# Allegro board FMDEMOD-Long.brd (continued)
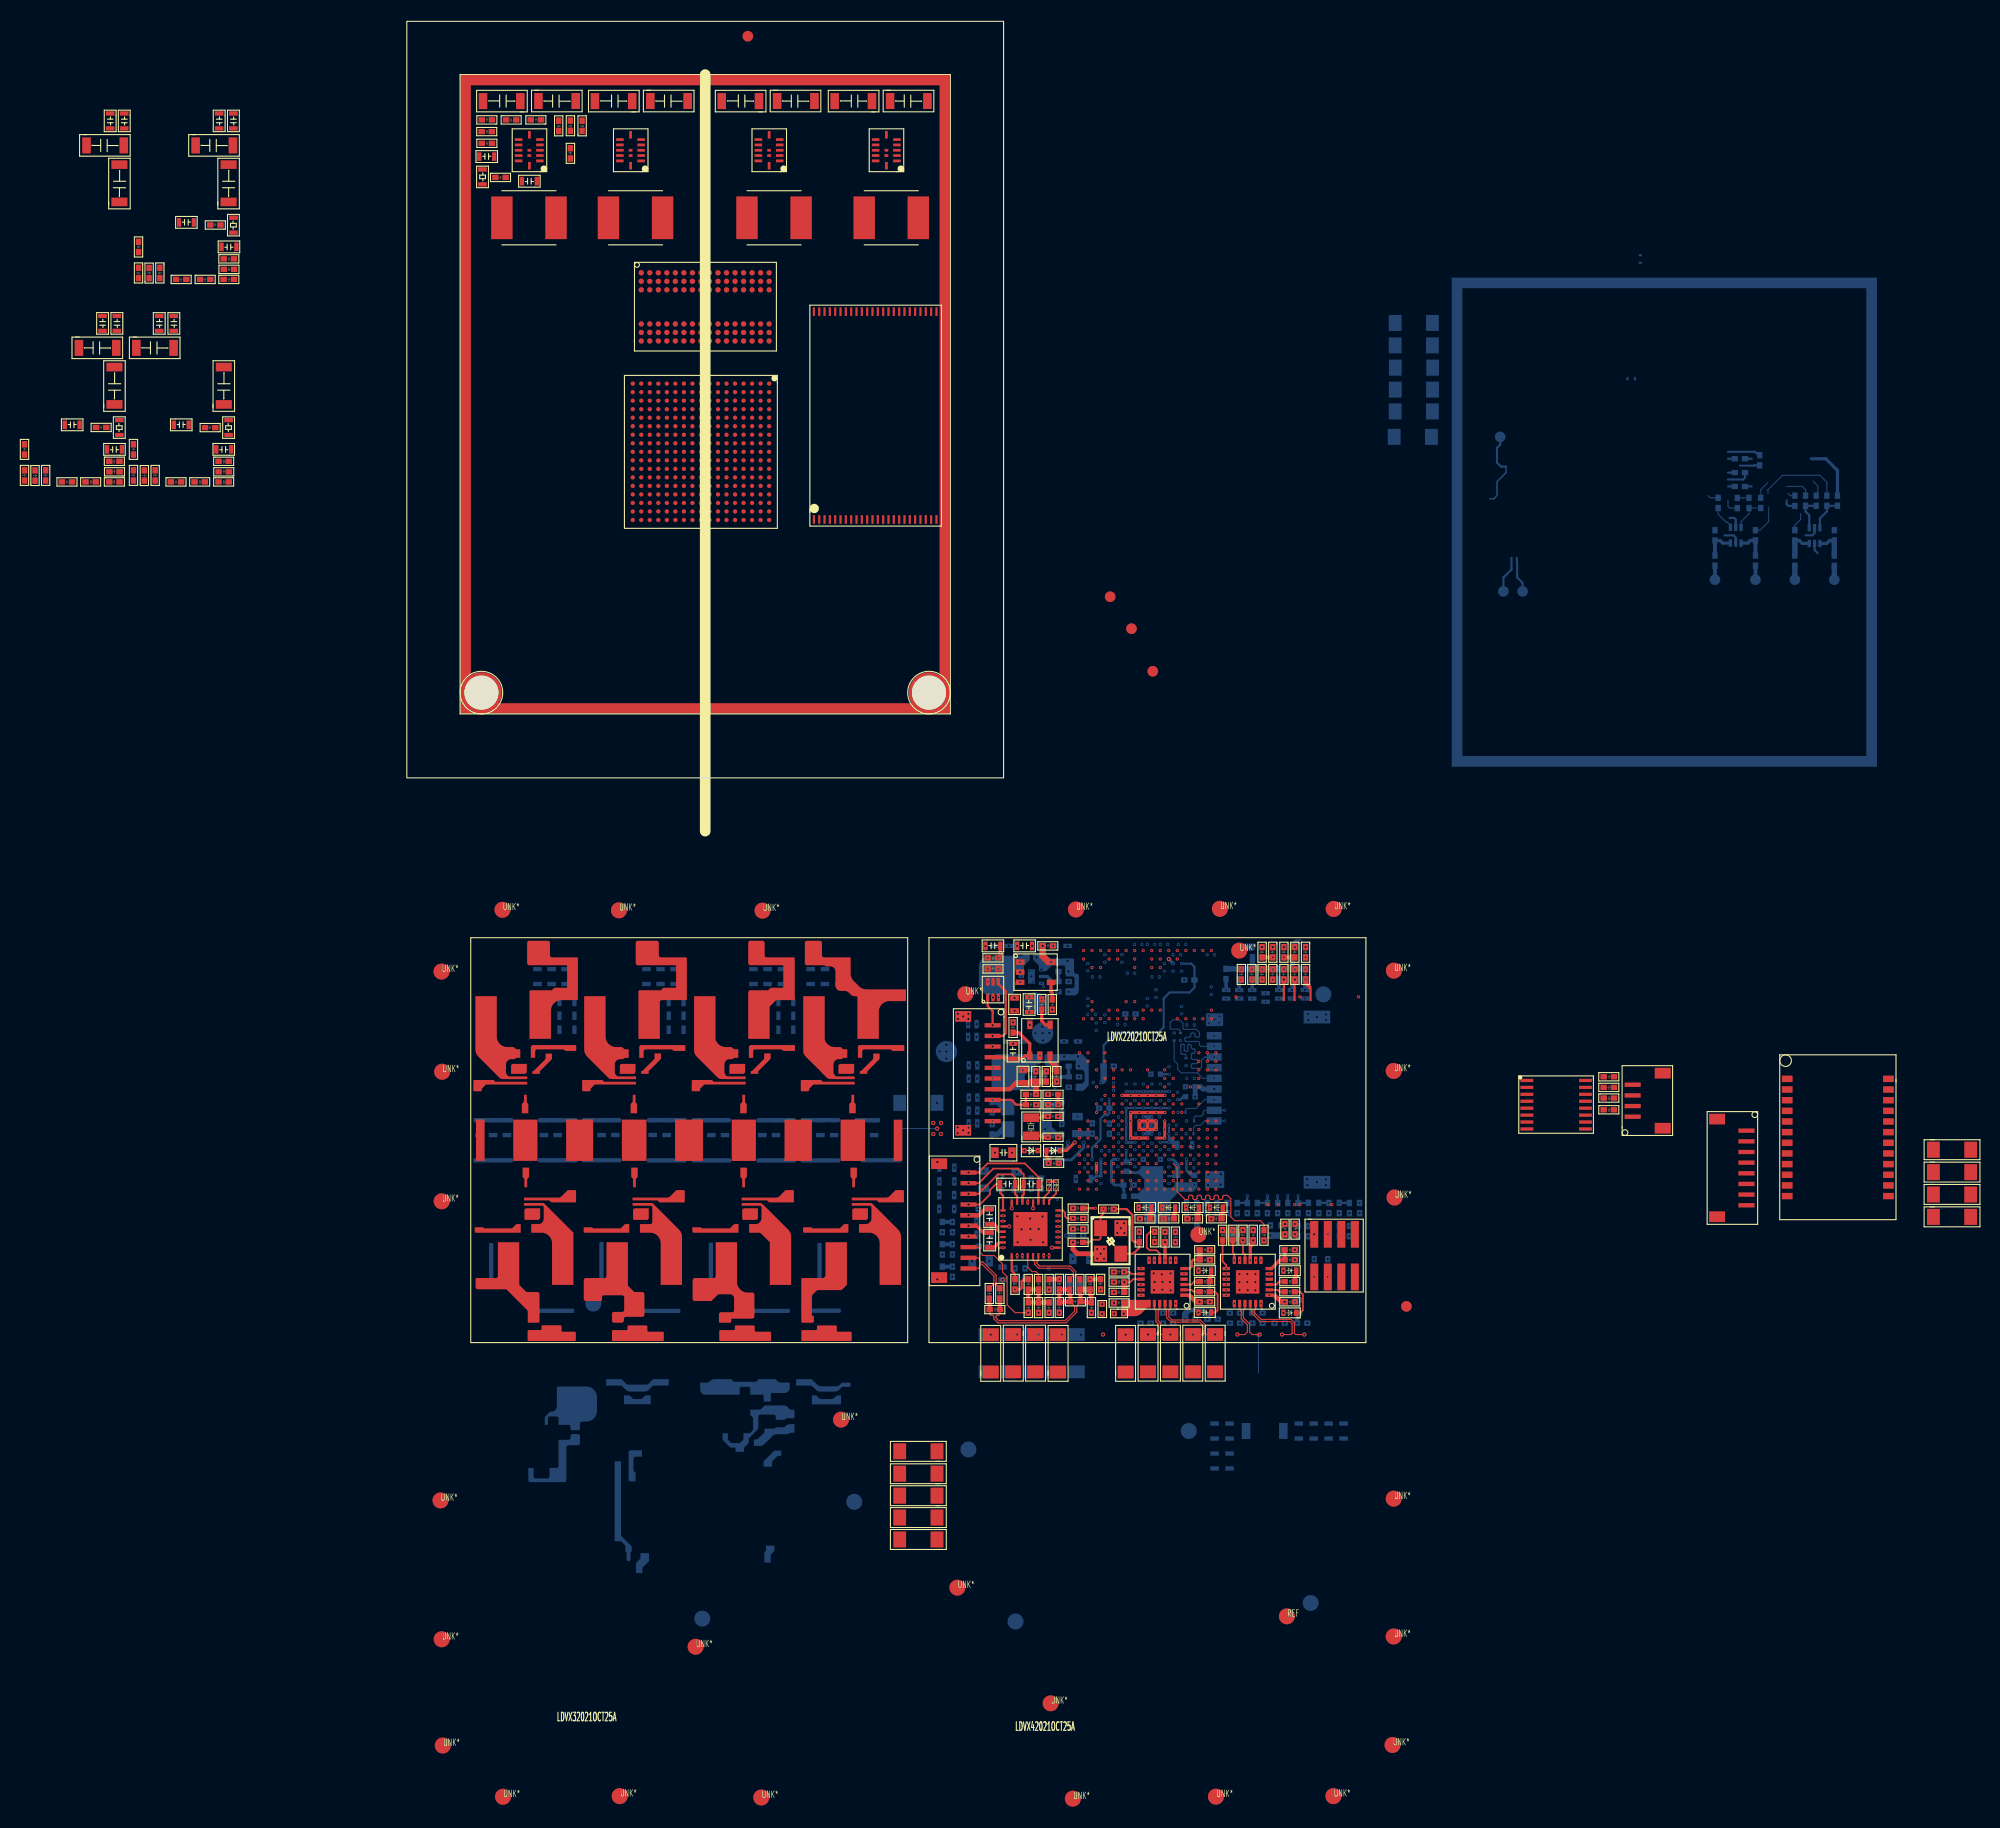
[diagram p0: board, top side]
## Text on the board (continued)
User.24: FIGURE | FINISHED_SIZE | 0.15 | 0.2 | 1.0 | 3.2 | TOOL_SIZE | - | ROTATION | BY LAYER: GND-L2 to SIGNAL-L3 | ALL UNITS ARE IN MILLIMETERS | TOLERANCE_DRILL | +0.0/-0.0 | TOLERANCE_TRAVEL | PLATED | NON-PLATED | QTY | 730 | 1060 | 1 | 16 | 1807 | TOTAL HOLES:
User.25: FIGURE | FINISHED_SIZE | 0.15 | 0.2 | 1.0 | 3.2 | TOOL_SIZE | - | ROTATION | BY LAYER: SIGNAL-L3 to SIGNAL-L4 | ALL UNITS ARE IN MILLIMETERS | TOLERANCE_DRILL | +0.0/-0.0 | TOLERANCE_TRAVEL | PLATED | NON-PLATED | QTY | 574 | 1012 | 1 | 16 | 1603 | TOTAL HOLES:
User.26: FIGURE | FINISHED_SIZE | 0.15 | 0.2 | 1.0 | 3.2 | TOOL_SIZE | - | ROTATION | BY LAYER: SIGNAL-L4 to GND-L5 | ALL UNITS ARE IN MILLIMETERS | TOLERANCE_DRILL | +0.0/-0.0 | TOLERANCE_TRAVEL | PLATED | NON-PLATED | QTY | 450 | 986 | 1 | 16 | 1453 | TOTAL HOLES:
User.27: FIGURE | FINISHED_SIZE | 0.15 | 0.2 | 1.0 | 3.2 | TOOL_SIZE | - | ROTATION | BY LAYER: GND-L5 to PWR-L6 | ALL UNITS ARE IN MILLIMETERS | TOLERANCE_DRILL | +0.0/-0.0 | TOLERANCE_TRAVEL | PLATED | NON-PLATED | QTY | 449 | 983 | 1 | 16 | 1449 | TOTAL HOLES:
User.28: FIGURE | FINISHED_SIZE | 0.15 | 0.2 | 1.0 | 3.2 | TOOL_SIZE | - | ROTATION | BY LAYER: PWR-L6 to SIGNAL-L7 | ALL UNITS ARE IN MILLIMETERS | TOLERANCE_DRILL | +0.0/-0.0 | TOLERANCE_TRAVEL | PLATED | NON-PLATED | QTY | 403 | 806 | 1 | 16 | 1226 | TOTAL HOLES:
User.29: FIGURE | FINISHED_SIZE | 0.15 | 0.2 | 1.0 | 3.2 | TOOL_SIZE | - | ROTATION | BY LAYER: SIGNAL-L7 to SIGNAL-L8 | ALL UNITS ARE IN MILLIMETERS | TOLERANCE_DRILL | +0.0/-0.0 | TOLERANCE_TRAVEL | PLATED | NON-PLATED | QTY | 308 | 824 | 1 | 16 | 1149 | TOTAL HOLES:
